# Altium PCB Copy of GameBoard_V1I1_083018.PcbDoc (part 4 of 21) (continued)
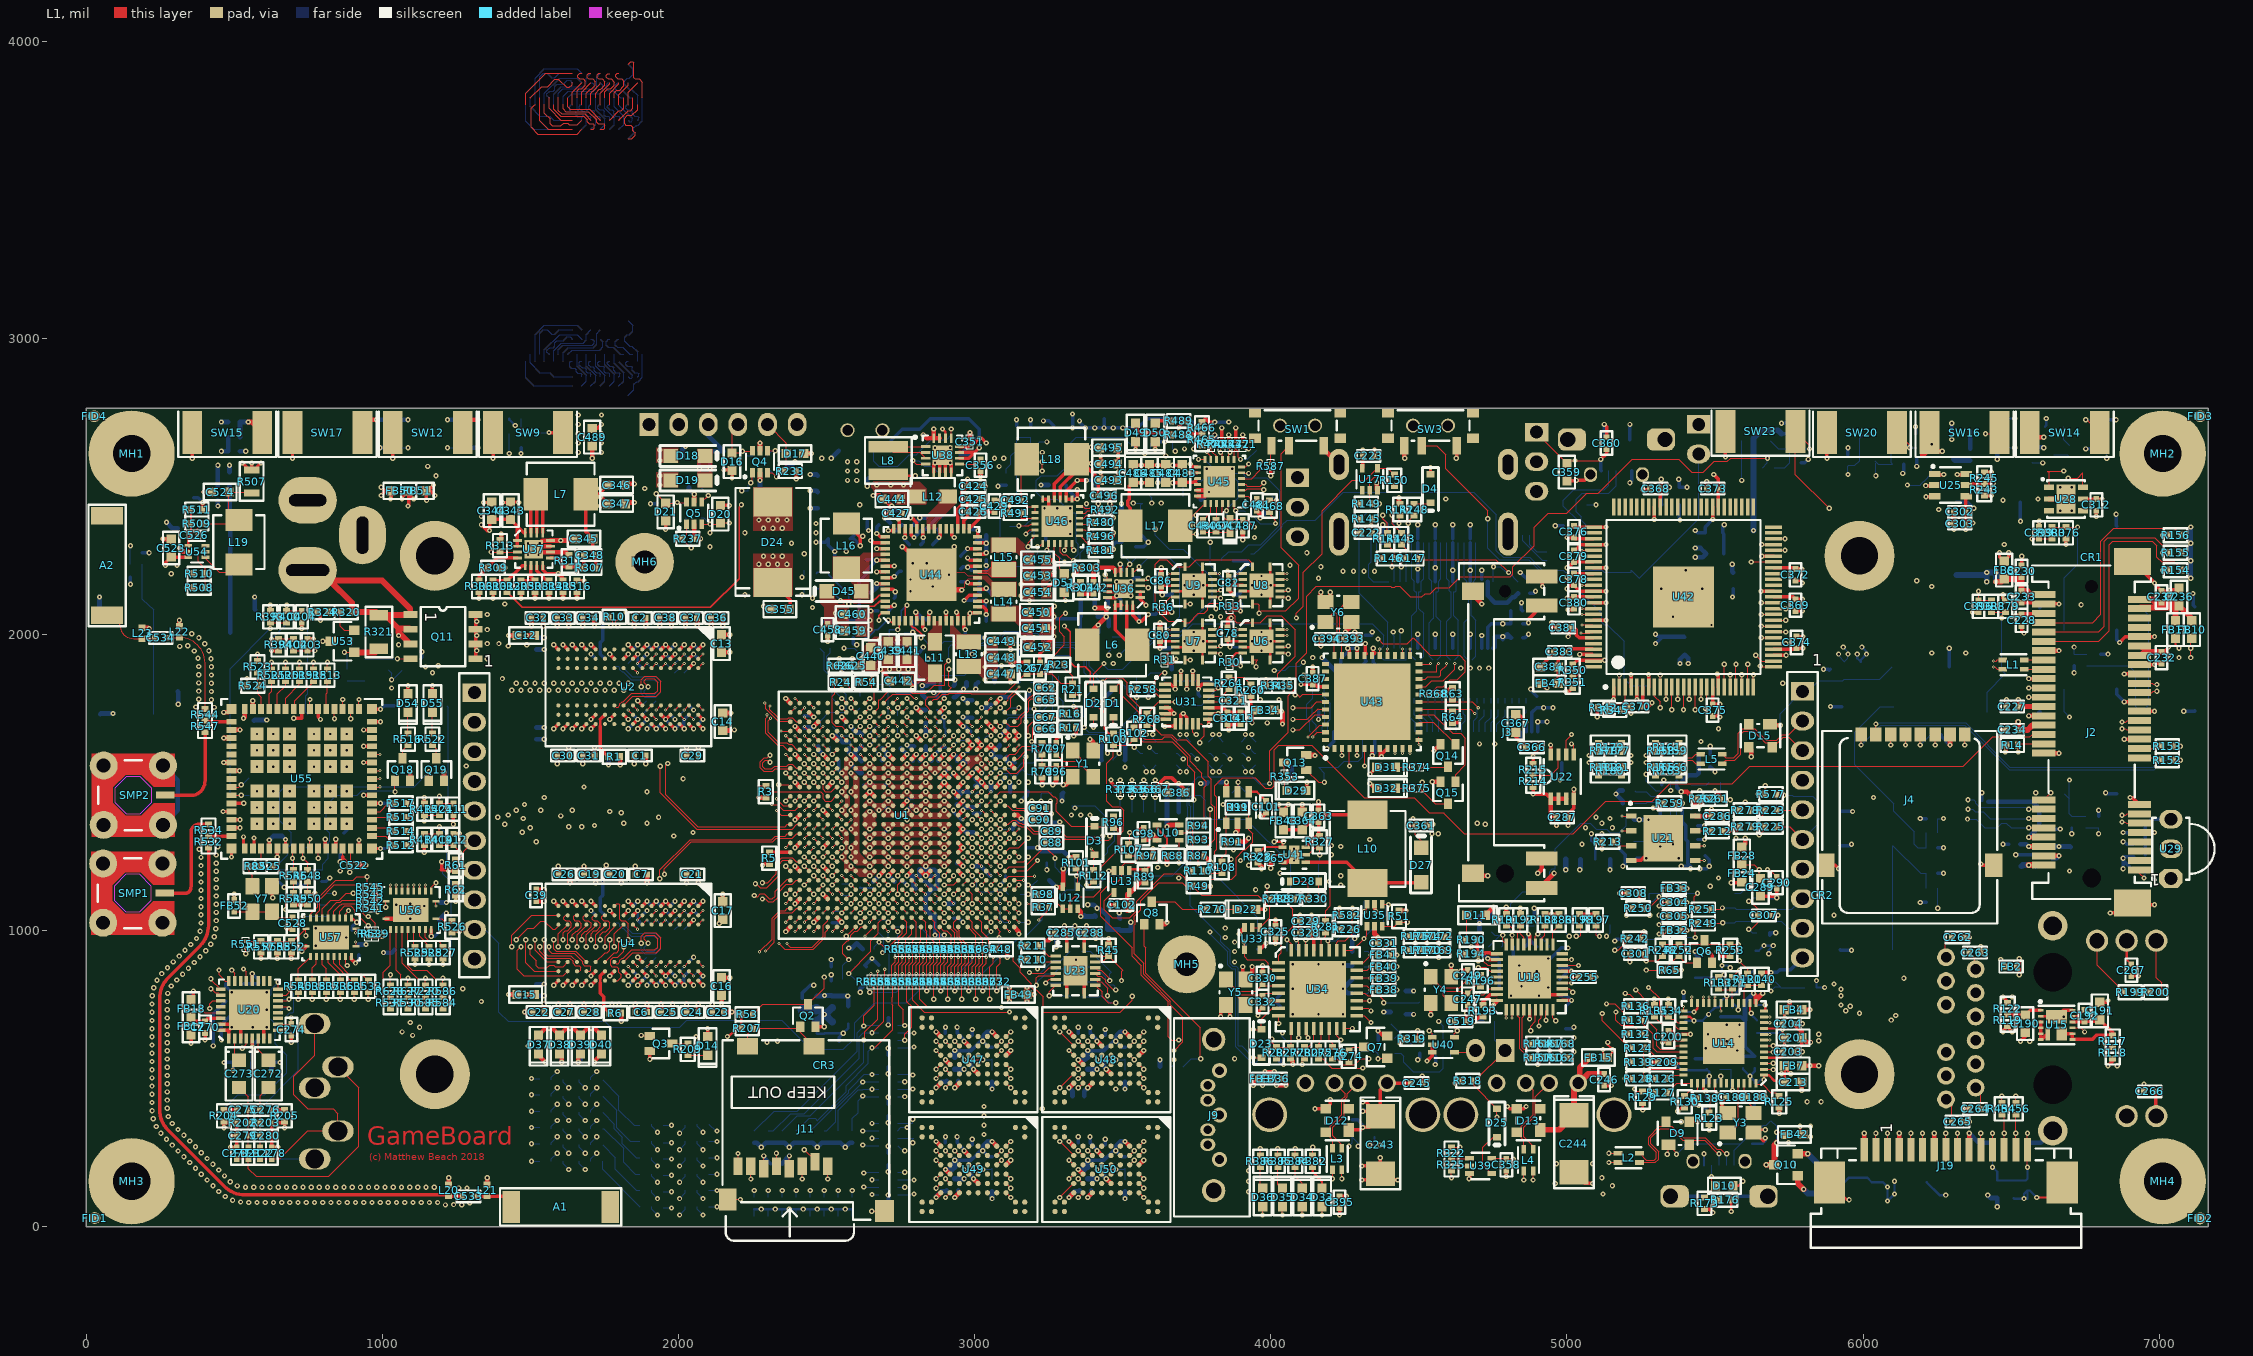
[diagram p0: L1 view]
## Part data (continued)
C94 C95: library part C0603C0G1H180J030BA, "CAP CER 18PF 50V 5% C0G 0201", Capacitance=18pF, Manufacturer="TDK Corporation", Operating Temperature="-55°C ~ 125°C", Package / Case="0201 (0603 Metric)", Ratings=-, Supplier Part Number 1=445-1777-1-ND, Temperature Coefficient="C0G, NP0", Tolerance=±5%, Voltage - Rated=50V, .Checked PCB=used, .Checked SCH=used, .Creator=MM, Applications="General Purpose", Category=Capacitors, ComponentLink1Description=http://product.tdk.com/en/catalog/datasheets/mlcc_commercial_general_en.pdf, ComponentLink1URL=http://product.tdk.com/en/catalog/datasheets/mlcc_commercial_general_en.pdf, Features=-, Height - Seated (Max)=-, Lead Spacing=-, Lead Style=-, Manufacturer Part Number=C0603C0G1H180J030BA, Mounting Type="Surface Mount, MLCC", Packaging="Cut Tape (CT)", Pricing 1="1=0.1, 10=0.024, 100=0.011, 250=0.009, 500=0.0077, 1000=0.006, 5000=0.005 (USD)", RoHS="RoHS Compliant", Size / Dimension="0.024\" L x 0.012\" W (0.60mm x 0.30mm)", Stock 1=230156, Supplier 1=Digi-Key, Thickness (Max)="0.013\" (0.33mm)"
C96 C97 C247 C249 C330 C332 C393 C394: library part C1005C0G1H180J, "CAP CER 18PF 50V C0G 5% 0402", Capacitance=18pF, Manufacturer="TDK Corporation", Operating Temperature="-55°C ~ 125°C", Package / Case="0402 (1005 Metric)", Ratings=-, Supplier Part Number=445-1238-1-ND, Temperature Coefficient="C0G, NP0", Tolerance=±5%, Voltage - Rated=50V, .Checked PCB=used, .Checked SCH=used, Applications="General Purpose", Category=Capacitors, ComponentLink1Description=http://www.tdk.co.jp/tefe02/e412_c.pdf, ComponentLink1URL=http://www.tdk.co.jp/tefe02/e412_c.pdf, Features=-, Height - Seated (Max)=-, Lead Spacing=-, Lead Style=-, Manufacturer Part Number=C1005C0G1H180J, Mounting Type="Surface Mount, MLCC", Packaging="Cut Tape (CT)", Price 1k [$]=0.00468, Pricing 1="1=0.08, 10=0.05, 100=0.018, 250=0.013, 500=0.0096, 1000=0.0065 (USD)", RoHS="RoHS Compliant", Size / Dimension="0.039\" L x 0.020\" W (1.00mm x 0.50mm)", Stock 1=24321, Supplier=Digikey, Supplier 1=Digi-Key, Supplier Part Number 1=445-1238-1-ND, Thickness (Max)="0.022\" (0.55mm)"
C109 C114 C119 C124 C131 C140 C141 C142 C148 C185 C186: library part GRM188R60G226MEA0L_small, "CAP CER 22UF 4V 20% X5R 0603", Capacitance=22µF, Manufacturer="Murata Electronics North America", Manufacturer Part Number=GRM188R60G226MEA0L, Operating Temperature="-55°C ~ 85°C", Package / Case="0603 (1608 Metric)", Ratings=-, Supplier Part Number 1=490-5526-1-ND, Temperature Coefficient=X5R, Tolerance=±20%, Voltage - Rated=4V, .Checked PCB=used, .Checked SCH=used, .Creator=MM, Applications="General Purpose", Category=Capacitors, ComponentLink1Description=http://www.murata.com/products/catalog/pdf/c02e.pdf, ComponentLink1URL=http://www.murata.com/products/catalog/pdf/c02e.pdf, Features=-, Height - Seated (Max)=-, Lead Spacing=-, Lead Style=-, Mounting Type="Surface Mount, MLCC", Packaging="Cut Tape (CT)", Pricing 1="1=0.79, 10=0.663, 50=0.4752, 100=0.4158, 250=0.32672, 500=0.297, 1000=0.2376 (USD)", RoHS="RoHS Compliant", Size / Dimension="0.063\" L x 0.031\" W (1.60mm x 0.80mm)", Stock 1=5760, Supplier 1=Digi-Key, Thickness (Max)="0.035\" (0.90mm)"
C150 C154 C161 C162 C165 C167 C337 C338 C343 C344 C355 C453 C454 C455: library part C1608X5R0J226M080AC, "CAP CER 22UF 6.3V 20% X5R 0603", Capacitance=22µF, Manufacturer="TDK Corporation", Operating Temperature="-55°C ~ 85°C", Package / Case="0603 (1608 Metric)", Ratings=-, Supplier Part Number 1=445-8028-1-ND, Temperature Coefficient=X5R, Tolerance=±20%, Voltage - Rated=6.3V, .Checked PCB=used, .Checked SCH=used, .Creator=MM, Applications="General Purpose", Category=Capacitors, ComponentLink1Description=http://product.tdk.com/en/catalog/datasheets/mlcc_commercial_general_en.pdf, ComponentLink1URL=http://product.tdk.com/en/catalog/datasheets/mlcc_commercial_general_en.pdf, Features=-, Height - Seated (Max)=-, Lead Spacing=-, Lead Style=-, Manufacturer Part Number=C1608X5R0J226M080AC, Mounting Type="Surface Mount, MLCC", Packaging="Cut Tape (CT)", Pricing 1="1=0.39, 10=0.343, 100=0.1714, 250=0.13708, 500=0.12484, 1000=0.1104 (USD)", RoHS="RoHS Compliant", Size / Dimension="0.063\" L x 0.031\" W (1.60mm x 0.80mm)", Stock 1=593047, Supplier 1=Digi-Key, Thickness (Max)="0.039\" (1.00mm)"
C152: library part C0603X5R1C103K030BA, "CAP CER .01UF 16V 10% X5R 0201", Capacitance=10000pF, Manufacturer="TDK Corporation", Operating Temperature="-55°C ~ 85°C", Package / Case="0201 (0603 Metric)", Ratings=-, Supplier Part Number 1=445-16166-1-ND, Temperature Coefficient=X5R, Tolerance=±10%, Voltage - Rated=16V, .Checked PCB=used, .Checked SCH=used, .Creator=MM, Applications="General Purpose", Category=Capacitors, ComponentLink1Description=http://product.tdk.com/en/catalog/datasheets/mlcc_commercial_general_en.pdf, ComponentLink1URL=http://product.tdk.com/en/catalog/datasheets/mlcc_commercial_general_en.pdf, Features=-, Height - Seated (Max)=-, Lead Spacing=-, Lead Style=-, Manufacturer Part Number=C0603X5R1C103K030BA, Mounting Type="Surface Mount, MLCC", Packaging="Cut Tape (CT)", Pricing 1="1=0.1, 10=0.043, 100=0.0196, 250=0.01608, 500=0.01374, 1000=0.0105, 5000=0.00875 (USD)", RoHS="RoHS Compliant", Size / Dimension="0.024\" L x 0.012\" W (0.60mm x 0.30mm)", Stock 1=24793, Supplier 1=Digi-Key, Thickness (Max)="0.013\" (0.33mm)"
C188 C189 C333 C334 C335 C336 C341 C348: library part C1005C0G1H220J, "CAP CER 22PF 50V C0G 5% 0402", Manufacturer="TDK Corporation", Operating Temperature="-55°C ~ 125°C", Package / Case="0402 (1005 Metric)", Ratings=-, Supplier Part Number=445-1239-1-ND, Temperature Coefficient="C0G, NP0", Tolerance=±5%, Voltage - Rated=50V, .Checked PCB=used, .Checked SCH=used, Applications="General Purpose", Capacitance=22pF, Category=Capacitors, ComponentLink1Description=http://www.tdk.co.jp/tefe02/e412_c.pdf, ComponentLink1URL=http://www.tdk.co.jp/tefe02/e412_c.pdf, Features=-, Height - Seated (Max)=-, Lead Spacing=-, Lead Style=-, Manufacturer Part Number=C1005C0G1H220J, Mounting Type="Surface Mount, MLCC", Packaging="Cut Tape (CT)", Price 1k [$]=0.00442, Pricing 1="1=0.08, 10=0.05, 100=0.018, 250=0.013, 500=0.0096, 1000=0.0065 (USD)", RoHS="RoHS Compliant", Size / Dimension="0.039\" L x 0.020\" W (1.00mm x 0.50mm)", Stock 1=176261, Supplier=Digikey, Supplier 1=Digi-Key, Supplier Part Number 1=445-1239-1-ND, Thickness (Max)="0.022\" (0.55mm)"
C192: library part GRM1555C1H561JA01D, "CAP CER 560PF 50V C0G 0402", Manufacturer="Murata Electronics North America", Operating Temperature="-55°C ~ 125°C", Package / Case="0402 (1005 Metric)", Ratings=-, Supplier Part Number=490-3238-1-ND, Temperature Coefficient="C0G, NP0", Tolerance=±5%, Voltage - Rated=50V, .Checked PCB=used, .Checked SCH=used, Applications="General Purpose", Capacitance=560pF, Category=Capacitors, ComponentLink1Description=http://search.murata.co.jp/Ceramy/image/img/PDF/ENG/GRM1555C1H561JA01.pdf, ComponentLink1URL=http://search.murata.co.jp/Ceramy/image/img/PDF/ENG/GRM1555C1H561JA01.pdf, Features=-, Height - Seated (Max)=-, Lead Spacing=-, Lead Style=-, Manufacturer Part Number=GRM1555C1H561JA01D, Mounting Type="Surface Mount, MLCC", Packaging="Cut Tape (CT)", Price 1k [$]=0.0149, Pricing 1="10=0.066, 50=0.0528, 100=0.0396, 250=0.0286, 500=0.02112, 1000=0.0143, 5000=0.011 (USD)", RoHS="RoHS Compliant", Size / Dimension="0.039\" L x 0.020\" W (1.00mm x 0.50mm)", Stock 1=301161, Supplier=Digikey, Supplier 1=Digi-Key, Supplier Part Number 1=490-3238-1-ND, Thickness (Max)="0.022\" (0.55mm)"
C224 C225: library part T520D337M006ATE045, "CAP TANT 330UF 6.3V 20% 2917", Capacitance=330µF, ESR (Equivalent Series Resistance)="45 mOhm", Lifetime @ Temp.=-, Manufacturer=Kemet, Manufacturer Size Code=D, Operating Temperature="-55°C ~ 105°C", Package / Case="2917 (7343 Metric)", Supplier Part Number 1=399-4055-1-ND, Tolerance=±20%, Voltage - Rated=6.3V, .Checked PCB=used, .Checked SCH=used, .Creator=MM, Category=Capacitors, ComponentLink1Description=http://www.kemet.com/kemet/web/homepage/kechome.nsf/file/T520%20Series/$file/KEM_T2015_T520.pdf, ComponentLink1URL=http://www.kemet.com/kemet/web/homepage/kechome.nsf/file/T520%20Series/$file/KEM_T2015_T520.pdf, Features=Polymer, Height - Seated (Max)="0.122\" (3.10mm)", Lead Spacing=-, Manufacturer Part Number=T520D337M006ATE045, Mounting Type="Surface Mount", Packaging="Cut Tape (CT)", Pricing 1="1=1.33, 10=1.05, 50=0.91, 100=0.7875, 250=0.7 (USD)", RoHS="RoHS Compliant", Size / Dimension="0.287\" L x 0.169\" W (7.30mm x 4.30mm)", Stock 1=11758, Supplier 1=Digi-Key, Type=Molded
C242 C254 C255 C260 C281 C303 C311 C313 C361 C362 C416 C417 C420 C424 C425 C469 C471 C473 C482 C491 C503 C508 C513 C518 C527: library part C1005X5R1C105K, "CAP CER 1.0UF 16V X5R 0402", Capacitance=1.0µF, Manufacturer="TDK Corporation", Operating Temperature="-55°C ~ 85°C", Package / Case="0402 (1005 Metric)", Ratings=-, Supplier Part Number=445-4978-1-ND, Temperature Coefficient=X5R, Tolerance=±10%, Voltage - Rated=16V, .Checked PCB=used, .Checked SCH=used, Applications="General Purpose", Category=Capacitors, ComponentLink1Description=http://www.tdk.co.jp/tefe02/e412_c.pdf, ComponentLink1URL=http://www.tdk.co.jp/tefe02/e412_c.pdf, Features=-, Height - Seated (Max)=-, Lead Spacing=-, Lead Style=-, Manufacturer Part Number=C1005X5R1C105K, Mounting Type="Surface Mount, MLCC", Packaging="Cut Tape (CT)", Price 1k [$]=0.02080, Pricing 1="1=0.24, 10=0.16, 100=0.064, 250=0.046, 500=0.0328, 1000=0.024 (USD)", RoHS="RoHS Compliant", Size / Dimension="0.039\" L x 0.020\" W (1.00mm x 0.50mm)", Stock 1=341010, Supplier=Digikey, Supplier 1=Digi-Key, Supplier Part Number 1=445-4978-1-ND, Thickness (Max)="0.022\" (0.55mm)"
C243 C244 C297 C357: library part TPSC107K010R0150, "CAP TANT 100UF 10V 10% 2312", Capacitance=100µF, ESR (Equivalent Series Resistance)="150 mOhm", Lifetime @ Temp.=-, Manufacturer="AVX Corporation", Manufacturer Size Code=C, Operating Temperature="-55°C ~ 125°C", Package / Case="2312 (6032 Metric)", Supplier Part Number 1=478-7995-1-ND, Tolerance=±10%, Voltage - Rated=10V, .Checked PCB=used, .Checked SCH=used, .Creator=MM, Category=Capacitors, ComponentLink1Description=http://www.avx.com/docs/Catalogs/tps.pdf, ComponentLink1URL=http://www.avx.com/docs/Catalogs/tps.pdf, Features="General Purpose", Height - Seated (Max)="0.110\" (2.80mm)", Lead Spacing=-, Manufacturer Part Number=TPSC107K010R0150, Mounting Type="Surface Mount", Packaging="Cut Tape (CT)", Pricing 1="1=1, 10=0.85, 100=0.4969, 250=0.4168 (USD)", RoHS="RoHS Compliant", Size / Dimension="0.236\" L x 0.126\" W (6.00mm x 3.20mm)", Stock 1=3211, Supplier 1=Digi-Key, Type=Molded
C272 C273: library part TLNS227M004R3000, "CAP TANT 220UF 4V 20% 1206", Capacitance=220µF, ESR (Equivalent Series Resistance)="3.000 Ohm", Lifetime @ Temp.=-, Manufacturer="AVX Corporation", Manufacturer Size Code=S, Operating Temperature="-55°C ~ 125°C", Package / Case="1206 (3216 Metric)", Supplier Part Number 1=478-5526-1-ND, Tolerance=±20%, Voltage - Rated=4V, .Checked PCB=used, .Checked SCH=used, Category=Capacitors, ComponentLink1Description=http://www.avx.com/docs/Catalogs/tlnunder.pdf, ComponentLink1URL=http://www.avx.com/docs/Catalogs/tlnunder.pdf, Features="General Purpose", Height - Seated (Max)="0.047\" (1.20mm)", Lead Spacing=-, Manufacturer Part Number=TLNS227M004R3000, Mounting Type="Surface Mount", Packaging="Cut Tape (CT)", Pricing 1="1=1.35, 10=1.128, 100=0.72, 250=0.6, 500=0.54, 1000=0.492 (USD)", RoHS="RoHS Compliant", Size / Dimension="0.126\" L x 0.063\" W (3.20mm x 1.60mm)", Stock 1=21393, Supplier 1=Digi-Key, Type=Molded
C277 C278 C283: library part GRM155R71H271KA01D, "CAP CER 270PF 50V 10% X7R 0402", Manufacturer="Murata Electronics North America", Operating Temperature="-55°C ~ 125°C", Package / Case="0402 (1005 Metric)", Ratings=-, Supplier Part Number 1=490-1299-1-ND, Temperature Coefficient=X7R, Tolerance=±10%, Voltage - Rated=50V, .Checked PCB=used, .Checked SCH=used, Applications="General Purpose", Capacitance=270pF, Category=Capacitors, ComponentLink1Description=http://search.murata.co.jp/Ceramy/image/img/PDF/ENG/GRM155R71H271KA01.pdf, ComponentLink1URL=http://search.murata.co.jp/Ceramy/image/img/PDF/ENG/GRM155R71H271KA01.pdf, Features=-, Height - Seated (Max)=-, Lead Spacing=-, Lead Style=-, Manufacturer Part Number=GRM155R71H271KA01D, Mounting Type="Surface Mount, MLCC", Packaging="Cut Tape (CT)", Pricing 1="10=0.032, 50=0.0252, 100=0.0189, 250=0.01364, 500=0.01008, 1000=0.00683, 5000=0.00525 (USD)", RoHS="RoHS Compliant", Size / Dimension="0.039\" L x 0.020\" W (1.00mm x 0.50mm)", Stock 1=83894, Supplier 1=Digi-Key, Thickness (Max)="0.022\" (0.55mm)"
C279 C280 C306 C309: library part C1005C0G1H101J, "CAP CER 100PF 50V 5% NP0 0402", Manufacturer="TDK Corporation", Operating Temperature="-55°C ~ 125°C", Package / Case="0402 (1005 Metric)", Ratings=-, Supplier Part Number 1=445-1247-1-ND, Temperature Coefficient="C0G, NP0", Tolerance=±5%, Voltage - Rated=50V, .Checked PCB=used, .Checked SCH=used, Applications="General Purpose", Capacitance=100pF, Category=Capacitors, ComponentLink1Description=http://www.tdk.com/pdf/general_B11.pdf, ComponentLink1URL=http://www.tdk.com/pdf/general_B11.pdf, Features=-, Height - Seated (Max)=-, Lead Spacing=-, Lead Style=-, Manufacturer Part Number=C1005C0G1H101J, Mounting Type="Surface Mount, MLCC", Packaging="Cut Tape (CT)", Pricing 1="1=0.08, 10=0.05, 100=0.018, 250=0.013, 500=0.0096, 1000=0.0065 (USD)", RoHS="RoHS Compliant", Size / Dimension="0.039\" L x 0.020\" W (1.00mm x 0.50mm)", Stock 1=298233, Supplier 1=Digi-Key, Thickness (Max)="0.022\" (0.55mm)"
C299 C456 C470: library part C2012X5R1C106M, "CAP CER 10UF 16V 20% X5R 0805", Capacitance=10µF, Manufacturer="TDK Corporation", Manufacturer Part Number=C2012X5R1C106M/1.25, Operating Temperature="-55°C ~ 85°C", Package / Case="0805 (2012 Metric)", Ratings=-, Supplier Part Number 1=445-4115-1-ND, Temperature Coefficient=X5R, Tolerance=±20%, Voltage - Rated=16V, .Checked PCB=used, .Checked SCH=used, Applications="General Purpose", Category=Capacitors, ComponentLink1Description=http://www.tdk.com/pdf/general_B11.pdf, ComponentLink1URL=http://www.tdk.com/pdf/general_B11.pdf, Features=-, Height - Seated (Max)=-, Lead Spacing=-, Lead Style=-, Mounting Type="Surface Mount, MLCC", Packaging="Cut Tape (CT)", Pricing 1="1=0.45, 10=0.357, 100=0.215, 250=0.16124, 500=0.1376, 1000=0.1075 (USD)", RoHS="RoHS Compliant", Size / Dimension="0.079\" L x 0.049\" W (2.00mm x 1.25mm)", Stock 1=66161, Supplier 1=Digi-Key, Thickness (Max)="0.039\" (1.00mm)"
C342 C349: library part C1005X7R1H221K, "CAP CER 220PF 50V X7R 10% 0402", Manufacturer="TDK Corporation", Operating Temperature="-55°C ~ 125°C", Package / Case="0402 (1005 Metric)", Ratings=-, Supplier Part Number=445-1254-1-ND, Temperature Coefficient=X7R, Tolerance=±10%, Voltage - Rated=50V, .Checked PCB=used, .Checked SCH=used, Applications="General Purpose", Capacitance=220pF, Category=Capacitors, ComponentLink1Description=http://www.tdk.co.jp/tefe02/e412_c.pdf, ComponentLink1URL=http://www.tdk.co.jp/tefe02/e412_c.pdf, Features=-, Height - Seated (Max)=-, Lead Spacing=-, Lead Style=-, Manufacturer Part Number=C1005X7R1H221K, Mounting Type="Surface Mount, MLCC", Packaging="Cut Tape (CT)", Price 1k [$]=0.00650, Pricing 1="1=0.08, 10=0.05, 100=0.018, 250=0.013, 500=0.0096, 1000=0.0065 (USD)", RoHS="RoHS Compliant", Size / Dimension="0.039\" L x 0.020\" W (1.00mm x 0.50mm)", Stock 1=212041, Supplier=Digikey, Supplier 1=Digi-Key, Supplier Part Number 1=445-1254-1-ND, Thickness (Max)="0.022\" (0.55mm)"
C351 C522: library part C0603X5R1C104K030BC, "CAP CER 0.1UF 16V 10% X5R 0201", Capacitance=0.1µF, Manufacturer="TDK Corporation", Operating Temperature="-55°C ~ 85°C", Package / Case="0201 (0603 Metric)", Ratings=-, Supplier Part Number 1=445-7313-1-ND, Temperature Coefficient=X5R, Tolerance=±10%, Voltage - Rated=16V, .Checked PCB=used, .Checked SCH=used, .Creator=MM, Applications="General Purpose", Category=Capacitors, ComponentLink1Description=http://product.tdk.com/en/catalog/datasheets/mlcc_commercial_general_en.pdf, ComponentLink1URL=http://product.tdk.com/en/catalog/datasheets/mlcc_commercial_general_en.pdf, Features=-, Height - Seated (Max)=-, Lead Spacing=-, Lead Style=-, Manufacturer Part Number=C0603X5R1C104K030BC, Mounting Type="Surface Mount, MLCC", Packaging="Cut Tape (CT)", Pricing 1="1=0.1, 10=0.046, 100=0.0209, 250=0.01712, 500=0.01464, 1000=0.0114, 5000=0.0095 (USD)", RoHS="RoHS Compliant", Size / Dimension="0.024\" L x 0.012\" W (0.60mm x 0.30mm)", Stock 1=19491, Supplier 1=Digi-Key, Thickness (Max)="0.013\" (0.33mm)"
C352 C353 C354 C459 C460 C478: library part C1608X5R1A226M080AC, "CAP CER 22UF 10V X5R 0603", Capacitance=22µF, Manufacturer="TDK Corporation", Operating Temperature="-55°C ~ 85°C", Package / Case="0603 (1608 Metric)", Ratings=-, Supplier Part Number 1=445-9077-1-ND, Temperature Coefficient=X5R, Tolerance=±20%, Voltage - Rated=10V, .Checked PCB=used, .Checked SCH=used, .Creator=MM, Applications="General Purpose", Category=Capacitors, ComponentLink1Description=http://product.tdk.com/en/catalog/datasheets/mlcc_commercial_general_en.pdf, ComponentLink1URL=http://product.tdk.com/en/catalog/datasheets/mlcc_commercial_general_en.pdf, Features=-, Height - Seated (Max)=-, Lead Spacing=-, Lead Style=-, Manufacturer Part Number=C1608X5R1A226M080AC, Mounting Type="Surface Mount, MLCC", Packaging="Cut Tape (CT)", Pricing 1="1=0.49, 10=0.469, 100=0.2275, 250=0.189, 500=0.1715, 1000=0.1575 (USD)", RoHS="RoHS Compliant", Size / Dimension="0.063\" L x 0.031\" W (1.60mm x 0.80mm)", Stock 1=405620, Supplier 1=Digi-Key, Thickness (Max)="0.035\" (0.90mm)"
C356: library part CL05B332JA5NNNC, "CAP CER 3300PF 25V X7R 0402", Manufacturer="Samsung Electro-Mechanics", Operating Temperature="-55°C ~ 125°C", Package / Case="0402 (1005 Metric)", Ratings=-, Supplier Part Number 1=1276-1547-1-ND, Temperature Coefficient=X7R, Tolerance=±5%, Voltage - Rated=25V, .Creator=MB, Applications="General Purpose", Category=Capacitors, ComponentLink1Description=https://media.digikey.com/pdf/Data%20Sheets/Samsung%20PDFs/CL05B105KQ5NQNC_Spec.pdf, ComponentLink1URL=https://media.digikey.com/pdf/Data%20Sheets/Samsung%20PDFs/CL05B105KQ5NQNC_Spec.pdf, Features=-, Height - Seated (Max)=-, Lead Spacing=-, Lead Style=-, Manufacturer Part Number=CL05B332JA5NNNC, Mounting Type="Surface Mount, MLCC", Notification="Current market demand for these product types have resulted in fluctuating and extending lead times. Lead times may differ.", Packaging="Cut Tape (CT)", Part Status=Active, Pricing 1="1=0.1, 10=0.064, 100=0.0285, 500=0.02034, 1000=0.01598, 2500=0.01453, 5000=0.01337 (USD)", RoHS="RoHS Compliant", Size / Dimension="0.039\" L x 0.020\" W (1.00mm x 0.50mm)", Stock 1=78906, Supplier 1=Digi-Key, Thickness (Max)="0.022\" (0.55mm)"
C418 C421 C423 C427 C468: library part C1005X5R1A225K, "CAP CER 2.2UF 10V 10% X5R 0402", Capacitance=2.2µF, Manufacturer="TDK Corporation", Operating Temperature="-55°C ~ 85°C", Package / Case="0402 (1005 Metric)", Ratings=-, Supplier Part Number 1=445-7392-1-ND, Temperature Coefficient=X5R, Tolerance=±10%, Voltage - Rated=10V, .Checked PCB=used, .Checked SCH=used, Applications="General Purpose", Category=Capacitors, ComponentLink1Description=http://www.tdk.com/pdf/general_B11.pdf, ComponentLink1URL=http://www.tdk.com/pdf/general_B11.pdf, Features=-, Height - Seated (Max)=-, Lead Spacing=-, Lead Style=-, Manufacturer Part Number=C1005X5R1A225K, Mounting Type="Surface Mount, MLCC", Packaging="Cut Tape (CT)", Pricing 1="1=0.42, 10=0.332, 100=0.2, 250=0.15, 500=0.128, 1000=0.1 (USD)", RoHS="RoHS Compliant", Size / Dimension="0.039\" L x 0.020\" W (1.00mm x 0.50mm)", Stock 1=22891, Supplier 1=Digi-Key, Thickness (Max)="0.022\" (0.55mm)"
C430: library part C1005X5R1C474K, "CAP CER .47UF 16V X5R 0402", Capacitance=0.47µF, Manufacturer="TDK Corporation", Operating Temperature="-55°C ~ 85°C", Package / Case="0402 (1005 Metric)", Ratings=-, Supplier Part Number=445-4976-1-ND, Temperature Coefficient=X5R, Tolerance=±10%, Voltage - Rated=16V, .Checked PCB=used, .Checked SCH=used, Applications="General Purpose", Category=Capacitors, ComponentLink1Description=http://www.tdk.co.jp/tefe02/e412_c.pdf, ComponentLink1URL=http://www.tdk.co.jp/tefe02/e412_c.pdf, Features=-, Height - Seated (Max)=-, Lead Spacing=-, Lead Style=-, Manufacturer Part Number=C1005X5R1C474K, Mounting Type="Surface Mount, MLCC", Packaging="Cut Tape (CT)", Price 1k [$]=0.02400, Pricing 1="1=0.24, 10=0.16, 100=0.064, 250=0.046, 500=0.0328, 1000=0.024 (USD)", RoHS="RoHS Compliant", Size / Dimension="0.039\" L x 0.020\" W (1.00mm x 0.50mm)", Stock 1=141502, Supplier=Digikey, Supplier 1=Digi-Key, Supplier Part Number 1=445-4976-1-ND, Thickness (Max)="0.022\" (0.55mm)"
C480 C492: library part GRM155R71E473KA88D, "CAP CER 0.047UF 25V X7R 0402", Manufacturer="Murata Electronics North America", Operating Temperature="-55°C ~ 125°C", Package / Case="0402 (1005 Metric)", Ratings=-, Supplier Part Number 1=490-3254-1-ND, Temperature Coefficient=X7R, Tolerance=±10%, Voltage - Rated=25V, .Creator=MB, Applications="General Purpose", Category=Capacitors, ComponentLink1Description=https://www.murata.com/~/media/webrenewal/support/library/catalog/products/capacitor/mlcc/c02e.ashx, ComponentLink1URL=https://www.murata.com/~/media/webrenewal/support/library/catalog/products/capacitor/mlcc/c02e.ashx, Features=-, Height - Seated (Max)=-, Lead Spacing=-, Lead Style=-, Manufacturer Part Number=GRM155R71E473KA88D, Mounting Type="Surface Mount, MLCC", Notification="Current market demand for these product types have resulted in fluctuating and extending lead times. Lead times may differ.", Packaging="Cut Tape (CT)", Part Status=Active, Pricing 1="1=0.1, 10=0.024, 100=0.0109, 500=0.00778, 1000=0.00611, 2500=0.00556, 5000=0.00511 (USD)", RoHS="RoHS Compliant", Size / Dimension="0.039\" L x 0.020\" W (1.00mm x 0.50mm)", Stock 1=1130803, Supplier 1=Digi-Key, Thickness (Max)="0.022\" (0.55mm)"
C526: library part GRM0335C1H6R8BA01D, "CAP CER 6.8pF 0201 50volts C0G +/-0.1pF", Case/Package=0201, Case Code (Metric)=0603, Dielectric=C0G, Manufacturer=Murata, Max Operating Temperature=125°C, Min Operating Temperature=-55°C, Package Quantity=15000, Supplier Part Number 1=490-17817-1-ND, Voltage Rating=50V, .Creator=MB, Capacitance=6.8pF, Case Code (Imperial)=0201, ComponentLink1Description=https://datasheet.ciiva.com/29538/partnumbering-e-01-29538455.pdf, ComponentLink1URL=https://datasheet.ciiva.com/29538/partnumbering-e-01-29538455.pdf, Height=0.3mm, Length=0.024inch, Manufacturer Part Number=GRM0335C1H6R8BA01D, Mount="Surface Mount", Packaging="Tape and Reel", Pricing 1="1=0.1, 10=0.021, 100=0.0092, 500=0.00656, 1000=0.00516, 2500=0.00469, 5000=0.00431 (USD)", Stock 1=29500, Supplier 1=Digi-Key, Termination=SMD/SMT, Thickness=0.013inch, Voltage Rating (DC)=50V, Width=0.3mm
C533: library part GJM1555C1H1R0BB01D, "CAP CER 1pF 50V C0G 0.1pF SMD 0402 125C T/R", Case/Package=0402, Case Code (Metric)=1005, Dielectric=C0G, Manufacturer=Murata, Max Operating Temperature=125°C, Min Operating Temperature=-55°C, Package Quantity=10000, Supplier Part Number 1=490-6073-1-ND, Temperature Coefficient=30ppm/°C, Voltage=50V, .Creator=MB, Capacitance=1pF, Case Code (Imperial)=0402, ComponentLink1Description=https://datasheet.ciiva.com/2989/product-2989251.pdf, ComponentLink1URL=https://datasheet.ciiva.com/2989/product-2989251.pdf, ComponentLink2Description=https://datasheet.ciiva.com/8030/1700185-8030099.pdf, ComponentLink2URL=https://datasheet.ciiva.com/8030/1700185-8030099.pdf, ComponentLink3Description=https://datasheet.ciiva.com/6270/partnumbering-e-01-6270536.pdf, ComponentLink3URL=https://datasheet.ciiva.com/6270/partnumbering-e-01-6270536.pdf, ComponentLink4Description=https://datasheet.ciiva.com/18183/getdatasheetpartid-153061-18183816.pdf, ComponentLink4URL=https://datasheet.ciiva.com/18183/getdatasheetpartid-153061-18183816.pdf, ComponentLink5Description=https://datasheet.ciiva.com/6270/partnumbering-e-01-6270537.pdf, ComponentLink5URL=https://datasheet.ciiva.com/6270/partnumbering-e-01-6270537.pdf, ComponentLink6Description=https://datasheet.ciiva.com/6270/partnumbering-e-01-6270538.pdf, ComponentLink6URL=https://datasheet.ciiva.com/6270/partnumbering-e-01-6270538.pdf, ComponentLink7Description=https://datasheet.ciiva.com/11789/0900766b80ef921d-11789098.pdf, ComponentLink7URL=https://datasheet.ciiva.com/11789/0900766b80ef921d-11789098.pdf, Depth=0.5mm, Height=0.5mm, Lead Free="Lead Free", Lead Pitch=0.3mm, Length=1mm, Manufacturer Part Number=GJM1555C1H1R0BB01D, Mount="Surface Mount", Number of Pins=2, Packaging="Tape and Reel", Pricing 1="1=0.17, 10=0.122, 100=0.0572, 500=0.04012, 1000=0.03322, 2500=0.03092, 5000=0.02829 (USD)", Radiation Hardening=No, REACH SVHC="No SVHC", Stock 1=8519, Supplier 1=Digi-Key, Termination=SMD/SMT, Thickness=0.022inch, Voltage Rating=50V, Voltage Rating (DC)=50V, Width=0.02inch
C534: library part GJM1555C1H2R4BB01D, "CAP CER 2.4pF 0402 50Volts C0G +/-0.1pF", Case/Package=0402, Case Code (Metric)=1005, Dielectric=C0G, Manufacturer=Murata, Max Operating Temperature=125°C, Min Operating Temperature=-55°C, Package Quantity=1, Supplier Part Number 1=490-8093-1-ND, Voltage=50V, .Creator=MB, Capacitance=2.4pF, Case Code (Imperial)=0402, ComponentLink1Description=https://datasheet.ciiva.com/29541/partnumbering-e-01-29541979.pdf, ComponentLink1URL=https://datasheet.ciiva.com/29541/partnumbering-e-01-29541979.pdf, ComponentLink2Description=https://datasheet.ciiva.com/29541/partnumbering-e-01-29541980.pdf, ComponentLink2URL=https://datasheet.ciiva.com/29541/partnumbering-e-01-29541980.pdf, ComponentLink3Description=https://datasheet.ciiva.com/29541/partnumbering-e-01-29541981.pdf, ComponentLink3URL=https://datasheet.ciiva.com/29541/partnumbering-e-01-29541981.pdf, Depth=0.5mm, Height=0.5mm, Lead Free="Lead Free", Length=1mm, Manufacturer Part Number=GJM1555C1H2R4BB01D, Mount="Surface Mount", Packaging="Tape and Reel", Pricing 1="1=0.19, 10=0.13, 100=0.0659, 500=0.04508, 1000=0.03987, 2500=0.03814, 5000=0.03467 (USD)", Radiation Hardening=No, Stock 1=81966, Supplier 1=Digi-Key, Termination=SMD/SMT, Thickness=0.022inch, Voltage Rating=50V, Voltage Rating (DC)=50V, Width=0.02inch
CR1: library part Card_Mini_PCIe, "Card MIni PCIe", .Checked PCB=used, .Checked SCH=used, .Creator=MM, Category=Card
CR2: library part Card_Micro_SIM, "Card Micro SIM", .Checked PCB=used, .Checked SCH=used, .Creator=MM, Category=Card
CR3: library part Card_Micro_SD, "Card Micro SD", .Checked PCB=used, .Checked SCH=used, .Creator=MM, Category=Card
CTP1: "CONN FPC TOP 6POS 1.00MM R/A", Contact Resistance=30mR, Current Rating=500mA, Flammability Rating="UL94 V-0", Housing Colour=Natural, Manufacturer=Molex, Max Operating Temperature=85°C, Min Operating Temperature=-20°C, Package Quantity=1, Supplier Part Number 1=WM4880DKR-ND, Voltage Rating=50V, .Creator=MB, ComponentLink1Description=https://datasheet.ciiva.com/671/527930670-sd-671124.pdf, ComponentLink1URL=https://datasheet.ciiva.com/671/527930670-sd-671124.pdf, ComponentLink2Description=https://datasheet.ciiva.com/671/527930670-sd-671126.pdf, ComponentLink2URL=https://datasheet.ciiva.com/671/527930670-sd-671126.pdf, ComponentLink3Description=https://datasheet.ciiva.com/3112/0527930670-ffc-fpc-connectors-3112203.pdf, ComponentLink3URL=https://datasheet.ciiva.com/3112/0527930670-ffc-fpc-connectors-3112203.pdf, ComponentLink4Description=https://datasheet.ciiva.com/3112/0527930670-ffc-fpc-connectors-3112204.pdf, ComponentLink4URL=https://datasheet.ciiva.com/3112/0527930670-ffc-fpc-connectors-3112204.pdf, Contact Material=Bronze, Contact Plating=Nickel,Tin, Depth=4.8mm, Housing Material=Polyphenylene, Length=12.3mm, Manufacturer Part Number=0527930670, Mount="Surface Mount", Number of Positions=6, Number of Rows=1, Orientation="Right Angle", Packaging="Tape and Reel", Pitch=0.039inch, Pricing 1="1=0.46, 10=0.439, 25=0.3764, 50=0.3198, 100=0.3072, 250=0.27588, 500=0.26334 (USD)", Radiation Hardening=No, Stock 1=15950, Supplier 1=Digi-Key, Termination=Solder, Wire/Cable Type=Straight
D1 D2 D3 D23 D25 D43 D44: "DIODE SCHTKY 30MA 30V SOD-323", Capacitance @ Vr, F="2pF @ 1V, 1MHz", Current - Average Rectified (Io)=30mA, Current - Reverse Leakage @ Vr="500nA @ 30V", Manufacturer="Micro Commercial Co", Package / Case="SC-76, SOD-323", Supplier Device Package=SOD-323, Supplier Part Number 1=RB751V-40-TPMSCT-ND, Voltage - DC Reverse (Vr) (Max)=30V, Voltage - Forward (Vf) (Max) @ If="370mV @ 1mA", .Checked PCB=used, .Checked SCH=used, Category="Discrete Semiconductor Products", ComponentLink1Description="Data Sheet", ComponentLink1URL=http://www.mccsemi.com/up_pdf/RB751V-40(SOD-323).PDF, Diode Type=Schottky, Manufacturer Part Number=RB751V-40-TP, Mounting Type="Surface Mount", Packaging="Cut Tape (CT)", Pricing 1="1=0.48, 10=0.342, 100=0.2014, 250=0.14252, 500=0.1216, 1000=0.095 (USD)", Reverse Recovery Time (trr)=-, RoHS="RoHS Compliant", Speed="Small Signal =< 200mA (Io), Any Speed", Stock 1=18964, Supplier 1=Digi-Key
D4: "DIODE SCHOTTKY 30V 0.2A SOD323", Capacitance @ Vr, F="10pF @ 1V, 1MHz", Current - Average Rectified (Io)=200mA, Current - Reverse Leakage @ Vr="2µA @ 25V", Manufacturer="Fairchild Semiconductor", Operating Temperature - Junction="-55°C ~ 150°C", Package / Case="SC-76, SOD-323", Supplier Device Package=SOD-323, Supplier Part Number 1=BAT54HT1GCT-ND, Thermal Resistance="600°C/W Ja", Voltage - DC Reverse (Vr) (Max)=30V, Voltage - Forward (Vf) (Max) @ If="800mV @ 100mA", .Checked PCB=used, .Checked SCH=used, .Creator=MM, Category="Discrete Semiconductor Products", ComponentLink1Description=http://www.fairchildsemi.com/ds/BA/BAT54HT1G.pdf, ComponentLink1URL=http://www.fairchildsemi.com/ds/BA/BAT54HT1G.pdf, Diode Type=Schottky, Manufacturer Part Number=BAT54HT1G, Mounting Type="Surface Mount", Packaging="Cut Tape (CT)", Pricing 1="1=0.3, 10=0.276, 25=0.1984, 100=0.1543, 250=0.09696, 500=0.0826, 1000=0.05628 (USD)", Reverse Recovery Time (trr)=5ns, RoHS="RoHS Compliant", Speed="Small Signal =< 200mA (Io), Any Speed", Stock 1=11388, Supplier 1=Digi-Key